# Altium PCB PCB1.PcbDoc (part 2 of 2)
Units mm, origin at the board's own origin, x right, y up, seen from the top; angles counter-clockwise.
Board outline 152.4 x 101.6 mm, 2 copper layers (Top Layer, Bottom Layer); 133 components, 97 nets, 486 pads, 36 vias.
Unrouted connection lines stored in the file: 116.
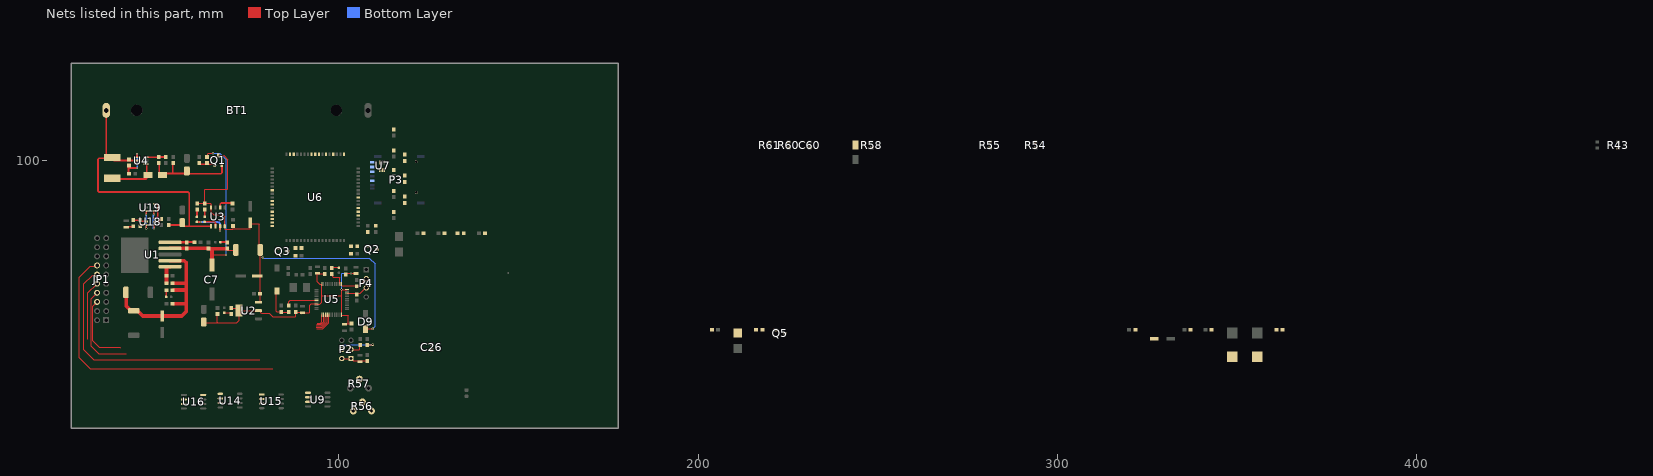
[diagram p2: the nets of this part, all layers, seen from the top]

## Via types
v1: diameter 0.6, hole 0.2, Top Layer to Bottom Layer, tented both sides, 19 vias
v2: diameter 0.6, hole 0.2, Top Layer to Bottom Layer, 17 vias

## Nets (pads, with @x,y where several pads share a name; then routed paths per layer and width w, separated by ;. In a path a pad name is that pad's centre, name@x,y a point inside that pad or via, vN(x,y) a via of type N, cw(c..) or ccw(c..) an arc to the next point about the centre after c; other vN are vias at no path point) (continued)
NetC5_1: C5.1 C6.2 D1.2 D4.2 R2.2 R3.1 U1.2 | length 51.6
  Top Layer w1: D4.2@40.791,62.865 40.791,59.45 42.18,58.061 43.053,58.061 43.926,58.061 45.331,56.656 C5.1@50.8,56.656 56.183,56.656 57.531,58.004 57.531,60.058 ; U1.2@52.959,72.087 56.945,72.087 57.531,71.501 57.531,65.771 ; R2.2@53.682,63.881 54.025,63.881 54.041,63.897 57.531,63.897 ; R3.1@53.682,65.786 54.025,65.786 54.04,65.771 57.531,65.771 ; C6.2@53.809,60.071 54.152,60.071 54.165,60.058 57.531,60.058 ; 57.531,60.058 57.531,62.865 57.531,63.897 ; 57.531,63.897 57.531,65.771
NetC26_1: C26.1 D18.2 R54.1 R54.2 R56.1
NetC37_2: C37.2 P1.1 R22.2 | length 9.7
  Top Layer w0.2: P1.1@82.194,63.2 P1.1@82.694,63.7 ; P1.1@82.794,63.6 82.6,63.406 82.6,58.017 82.717,57.9 C37.2@83.9,57.9 ; C37.2@84,57.7 R22.2@86,57.7
NetC39_2: C39.2 R32.1 R33.2
NetC46_2: C46.2 R38.2
NetC47_2: C47.2 R37.2
NetC48_2: C48.2 R36.2
NetC60_1: C60.1 R56.2 R56.3 R61.2 U15.3
NetC63_2: C63.2 R11.1 U18.5 | length 3.9
  Top Layer w0.4: R11.1@42.672,83.312 42.697,83.337 C63.2@44.679,83.337 ; C63.2@44.704,83.361 44.704,83.311 44.997,83.018 46.193,83.018 46.196,83.016 46.346,83.016 U18.5@46.396,82.966
NetD3_1: D3.1 R10.1 | length 2.1
  Top Layer w0.5: D3.1@60.464,84.258 60.457,84.266 60.457,86.15 R10.1@60.579,86.272
NetD5_1: D5.1 R1.1 | length 2.2
  Top Layer w0.254: D5.1@67.902,57.531 69.635,57.531 R1.1@69.977,57.189
NetD6_1: D6.1 R2.1 | length 1.9
  Top Layer w0.5: D6.1@51.878,61.976 51.93,62.028 51.93,63.829 R2.1@51.982,63.881
NetD7_1: D7.1 R5.1 | length 2
  Top Layer w0.6: D7.1@66.992,77.266 67.014,77.244 68.862,77.244 R5.1@68.947,77.16
NetD8_1: "L1 - 22uH.2" D8.1 U4.1 | length 13.9
  Top Layer w0.5: 36.83,94.784 46.189,94.784 46.482,95.077 46.482,98.999 U4.1@46.639,98.999
NetD10_2: D10.2 R27.2
NetD15_2: D15.2 Q5.3
NetD19_1: D19.1 R12.1 | length 2
  Top Layer w0.5: D19.1@62.611,84.266 R12.1@62.611,86.272
NetD20_1: D20.1 R23.2 | length 2
  Top Layer w0.2: R23.2@98.03,70.058 98.172,70.2 D20.1@100,70.2
NetJP1_6: JP1.6 U5.13 | length 23.3
  Top Layer w0.2: JP1.6@32.639,60.579 31.4,59.34 31.4,49.837 33.277,47.96 38.94,47.96 39.1,47.8 ; 93.928,54.7 94.874,54.7 95.25,55.076 U5.13@95.25,57.05
NetJP1_8: JP1.8 U5.14 | length 30.4
  Top Layer w0.2: JP1.8@32.639,63.119 31,61.48 31,48.3 33.1,46.2 40.8,46.2 ; 93.811,54.3 95.04,54.3 95.75,55.01 U5.14@95.75,57.05
NetJP1_10: JP1.10 U5.15 | length 21.7
  Top Layer w0.2: 30.1,50.154 30.1,63.12 JP1.10@32.639,65.659 ; 93.652,53.9 95.206,53.9 96.25,54.944 U5.15@96.25,57.05
NetJP1_12: JP1.12 U5.16 | length 79.1
  Top Layer w0.2: JP1.12@32.639,68.199 32.414,67.974 31.374,67.974 29,65.6 29,47.2 31.7,44.5 78,44.5 ; 93.612,53.5 95.371,53.5 96.75,54.879 U5.16@96.75,57.05
NetJP1_14: JP1.14 U5.17 | length 90.2
  Top Layer w0.2: JP1.14@32.639,70.739 32.362,70.462 30.762,70.462 27.7,67.4 27.7,45.1 30.8,42 81.6,42 ; 93.801,53.1 95.537,53.1 97.2,54.763 97.2,57 U5.17@97.25,57.05
NetL2_1: L2.1
NetP2_2: P2.2 R24.2 | length 4
  Top Layer w0.2: P2.2@103.34,47.36 103.4,47.3 105.683,47.3 105.8,47.417 105.8,48.694 R24.2@105.938,48.832
NetP2_5: P2.5 R25.1 | length 11.3
  Top Layer w0.2: R25.1@107.938,48.612 108.001,48.675 v1(109.407,48.675)
  Bottom Layer w0.2: P2.5@100.8,47.36 100.9,47.46 100.9,48.583 101.017,48.7 109.382,48.7 v1(109.407,48.675)
NetP3_2: P3.2 R36.1 U7.5
NetP3_3: P3.3 R37.1 U7.4
NetP3_7: P3.7 R38.1 U7.3
NetQ1_1: Q1.1 R15.2 R19.2 | length 4.9
  Top Layer w0.5: R19.2@61.087,99.226 61.087,99.203 61.337,98.953 62.996,98.953 63.246,99.203 R15.2@63.246,99.226 63.246,99.183 63.496,98.933 65.371,98.933 65.471,98.833 Q1.1@65.471,98.776
NetQ2_1: Q2.1 R28.1 R30.1
NetQ3_1: Q3.1 R29.1 R31.1
NetQ5_1: Q5.1 R39.1 R40.1
NetR3_2: R3.2 R6.2 U1.1 | length 5.4
  Top Layer w1: R3.2@51.982,65.913 51.982,67.437 51.982,67.691 51.982,70.377 51.992,70.387 U1.1@52.959,70.387
NetR4_2: R4.2 R7.2 U1.5 | length 6.9
  Top Layer w0.6: U1.5@52.959,77.187 52.964,77.182 57.653,77.182 R4.2@57.658,77.177 57.737,77.256 59.736,77.256 R7.2@59.814,77.334
NetR8_2: R8.2 R17.1 U4.4 | length 10.1
  Top Layer w0.5: R8.2@41.402,98.552 41.402,97.9 ; R17.1@41.568,96.266 41.402,96.432 41.402,97.9 ; v2(43.761,97.882) 43.743,97.9 41.402,97.9 ; v2(43.802,101.797) 43.783,101.777 43.783,100.899 43.672,100.899 U4.4@44.054,100.899
  Bottom Layer w0.5: v2(43.761,97.882) 43.761,97.909 43.802,97.951 v2(43.802,101.797)
NetR13_2: R13.2 U3.2 | length 4.6
  Top Layer w0.5: U3.2@66.928,86.869 66.928,87.845 67.221,88.138 70.259,88.138 R13.2@70.357,88.04
NetR14_2: R14.2 R18.1 U4.3 | length 5.1
  Top Layer w0.5: U4.3@46.639,100.899 49.766,100.899 R14.2@49.784,100.917 ; R14.2@49.784,100.926 49.788,100.922 51.729,100.922 R18.1@51.733,100.917
NetR16_1: R16.1 U18.2 | length 2.3
  Top Layer w0.4: U18.2@48.596,82.966 48.796,82.966 48.8,82.962 49.854,82.962 50.546,83.653 R16.1@50.546,83.703
NetR26_2: U9.2
NetR43_1: U9.1
NetR43_2: R43.1 R43.2 U9.3
NetR55_1: R55.1 U14.1
NetR57_2: R57.2 U16.2
NetR60_1: R60.1 U16.3
NetU15_1: U15.1 U15.2
P_OC: U18.3 U19.6 | length 5.4
  Top Layer w0.4: U19.6@48.471,87.818 48.546,87.743 49.271,87.743 49.505,87.508 49.505,84.303 49.118,83.916 U18.3@48.596,83.916
P_OD: U18.1 U19.4 | length 6.1
  Top Layer w0.4: v2(48.483,81.033) 48.521,81.072 48.521,82.016 U18.1@48.596,82.016 ; v2(48.482,84.886) 48.482,84.94 48.435,84.987 48.435,85.818 48.535,85.918 U19.4@48.598,85.918
  Bottom Layer w0.4: v2@48.26,81.002 v2@48.26,84.855
PH+: U14.3
PIN_B+: C64.2 R11.2 | length 2.2
  Top Layer w0.4: C64.2@40.493,81.461 42.521,81.461 R11.2@42.672,81.612
PIN_B-: C63.1 U18.6 U19.3 | length 7.8
  Top Layer w0.4: C63.1@44.704,81.661 44.704,81.709 45.004,82.009 46.389,82.009 U18.6@46.396,82.016 ; U19.3@46.228,85.984 46.239,85.984 46.278,85.945 46.278,84.893 v2(46.285,84.886) ; v2(46.343,81.028) 46.369,81.054 46.369,81.967 U18.6@46.374,81.972
  Bottom Layer w0.4: v2(46.285,84.886) 46.285,84.832 46.381,84.736 v2@46.381,81.12
PIN_OUT+: "L1 - 22uH.1" BT1.1 C15.1 C16.2 R8.1 U3.5 U4.5 | length 81.6
  Top Layer w0.5: BT1.1@35.193,113.919 35.193,100.598 35.179,100.584 ; 35.455,101.334 36.205,100.584 ; U4.5@43.658,99.949 41.529,99.949 37.465,99.949 36.83,100.584 36.205,100.584 ; C16.2@52.583,82.003 55.849,82.003 56.255,82.41 56.387,82.542 C15.1@56.387,82.646 ; C15.1@56.387,82.277 56.995,81.669 58.293,81.669 ; U3.5@64.388,81.669 58.293,81.669 ; 35.179,100.584 33.186,100.584 32.893,100.291 32.893,91.479 33.186,91.186 58,91.186 58.293,90.893 58.293,81.669 ; 35.179,100.584 36.205,100.584
PIN_RESET: R22.1 U5.7 | length 9.2
  Top Layer w0.2: R22.1@86.031,59.431 86,59.4 86,59.6 86,60.6 86.45,61.05 U5.7@93.75,61.05
Po: R55.2 R58.1 R60.2 U14.2
PWR_KEY_FR_MCU: R29.2
PWR_KEY_PIN: Q3.3 U6.1
RESET_PIN: Q2.3 U6.16
RESET_PIN_FR_MCU: R28.2 R39.2
RF_ANT: C38.2 R32.2 U6.60
RI: U6.4
RTS: U6.8
RXD: U6.10
SIM_CLK: U6.32
SIM_DATA: U6.31
SIM_DET: U6.34
SIM_RST: U6.33
SIM_VDD: U6.30
SWCLK: P4.2 R9.1 U5.37 | length 9
  Top Layer w0.2: U5.37@100.75,65.55 100.75,65.15 100.8,65.1 104.7,65.1 104.85,64.95 104.9,64.9 104.9,64.6 R9.1@105.248,64.948 ; R9.1@104.9,64.95 104.9,64.956 105.044,65.1 105.665,65.1 P4.2@107.605,67.04
SWDIO: P4.3 R20.1 U5.34 | length 6.5
  Top Layer w0.2: U5.34@102.25,63.05 104.5,63.05 R20.1@104.9,62.65 104.9,62.664 105.3,63.064 105.964,63.064 107.4,64.5 P4.3@107.605,64.5 ; P4.3@108.107,64.277 P4.3@108.234,64.404
TP_CH: D3.2 U3.7 | length 9.7
  Top Layer w0.5: D3.2@60.547,82.854 60.553,82.86 61.489,82.86 v2(61.49,82.862) ; v2(66.858,80.476) 66.858,80.503 66.878,80.524 66.878,81.619 U3.7@66.928,81.669
  Bottom Layer w0.5: v2(61.49,82.862) 61.518,82.862 61.575,82.804 66.565,82.804 66.858,82.511 v2(66.858,80.476)
TP_STD: D19.2 U3.6 | length 4.1
  Top Layer w0.5: D19.2@62.611,82.866 62.646,82.901 65.335,82.901 65.627,82.608 65.627,81.7 U3.6@65.658,81.669
TXD: U6.9
UBATT_LED_PIN: R23.1 U5.38 | length 4.7
  Top Layer w0.2: R23.1@98.03,68.358 98.341,68.046 98.341,67.617 98.459,67.5 100.133,67.5 100.25,67.383 U5.38@100.25,65.55
USB_BOOT: U6.6
USB_DM: U6.28
USB_DP: U6.27
VBATT: C40.1 C41.1 C42.2 C43.1 C44.2 C45.2 L2.2 U6.55 U6.56 U6.57
VBUS: U6.24
VCC_3.3V: U16.8
VCC_3.3V_MCU: C3.1 C4.2 C9.2 C10.2 C11.2 C18.2 C21.2 C22.2 C23.2 C24.2 C25.2 C27.2 P2.1 P2.4 R1.2 U2.2 U5.9 U5.24 U5.36 U5.48 | length 93.4
  Top Layer w0.2: U2.2@77.597,58.18 77.868,58.18 78.161,57.888 78.161,57.616 78.377,57.4 ; 78.676,57.468 80.633,57.468 81.6,56.5 87.841,56.5 87.958,56.617 C25.2@87.958,57.833 88.092,57.7 89.747,57.7 C18.2@89.827,57.62 ; C18.2@89.5,57.294 C18.2@89.827,57.62 ; C23.2@96.037,68.358 95.951,68.444 94.021,68.444 94.021,66.2 94.671,65.55 U5.48@95.25,65.55 95.2,65.5 95.2,62.3 ; v2(100.739,64.014) 100.757,64.032 102.232,64.032 U5.36@102.25,64.05 ; v2@100.75,63.933 100.75,62.3 ; P2.4@100.8,44.82 P2.1@103.34,44.82 104.01,44.15 C9.2@107.9,44.15 ; C10.2@101.9,54.5 102.6,54.5 ; C27.2@102,68.25 102.251,68.501 v2(103.326,68.501) 104.72,68.501 C22.2@104.721,68.5 ; C21.2@103.85,54.5 102.6,54.5 ; C18.2@89.827,57.62 C18.2@89.906,57.541 89.966,57.6 91.762,57.6 91.879,57.717 91.879,59.617 92.312,60.05 U5.9@93.75,60.05 93.8,60 94.7,60 95.2,60.5 95.2,62.3 ; 95.2,62.3 100.75,62.3 ; 100.75,62.3 U5.24@100.75,57.05 100.75,56.891 100.8,56.841 102.483,56.841 102.6,56.724 102.6,54.5
  Top Layer w0.254: C3.1@62.611,54.765 66.167,54.765 ; C4.2@66.04,56.769 66.04,54.892 66.167,54.765 ; R1.2@69.85,58.889 R1.2@69.977,58.889 71.488,58.889 U2.2@72.197,58.18 ; U2.2@77.597,58.18 U2.2@72.197,58.18 ; 66.167,54.765 71.529,54.765 72.263,55.499 72.263,58.114 U2.2@72.197,58.18
  Bottom Layer w0.2: v2(100.739,64.014) 100.8,64.075 100.8,68.384 100.917,68.501 v2(103.326,68.501)
VCC_5V: C1.1 C2.2 C13.1 C14.2 D2.2 D9.K Q1.3 R10.2 R12.2 U2.3 U3.4 U3.8 | length 121
  Top Layer w0.254: R10.2@60.579,87.972 60.618,88.011 R12.2@62.611,88.011 ; R12.2@62.611,87.972 R12.2@62.611,88.011 ; Q1.3@66.421,101.376 67.915,101.376 69.088,100.203 69.088,92.097 68.939,91.948 62.76,91.948 62.611,91.799 R12.2@62.611,88.011 ; U3.8@68.198,81.669 68.198,84.329 67.691,84.836 65.151,84.836 64.388,85.599 U3.4@64.388,86.869 64.388,87.758 64.135,88.011 R12.2@62.611,88.011 ; 68.199,80.839 70.386,80.839 70.485,80.938 75.223,80.938 75.311,81.026 75.311,81.973 75.634,82.296 77.702,82.296 77.851,82.147 77.851,75.287 D2.2@78.081,75.057 78.081,68.141 77.758,67.818 C1.1@77.743,67.818 ; C1.1@77.23,67.818 C1.1@77.743,67.818 ; U2.3@77.597,60.48 77.799,60.48 78.066,60.747 C2.2@78.066,62.865 78.066,67.495 C1.1@77.743,67.818 ; D9.K@107.4,53.2 D9.K@107.5,53.3 ; D9.K@107.5,53.1 v1(109.4,53.1)
  Bottom Layer w0.254: v2(78.8,73) 78.894,73 79.094,72.8 108.5,72.8 110.1,71.2 110.1,53.8 v1(109.4,53.1)
VCC_5V_BACKUP: C12.2 C17.1 D8.2 Q1.2 R14.1 | length 26.6
  Top Layer w0.5: R14.1@49.784,99.226 49.982,99.028 49.982,96.485 50.582,95.885 50.673,95.885 51.099,96.31 53.721,96.31 57.119,96.31 57.658,96.849 57.658,97.024 57.658,96.805 58.197,96.266 67.144,96.266 67.437,96.559 Q1.2@67.437,98.877 ; 53.721,96.485 C12.2@53.721,99.099
VCC_5V_COMPARE: C7.1 C8.2 D2.1 R4.1 R5.2 R15.1 U1.4 | length 60
  Top Layer w0.3: R15.1@63.246,100.926 63.396,101.076 63.396,101.75 63.627,101.981 v2(64.897,101.981) ; 64.643,73.787 64.77,73.66 v2(68.58,73.66) ; R5.2@68.95,74.93 D2.1@71.271,74.93
  Top Layer w1: U1.4@52.959,75.487 R4.1@57.531,75.487 ; R4.1@57.658,75.477 57.658,75.498 63.662,75.498 C8.2@63.662,75.484 63.662,75.434 64.534,75.434 64.643,75.325 64.643,73.787 C7.1@64.643,70.866 ; 64.643,75.438 R5.2@68.947,75.438
  Bottom Layer w0.3: v2@64.897,101.826 v2(64.897,101.981) 66.802,101.981 68.58,100.203 68.58,74.05
VDD_EXT_1V8: C49.2 C50.2 P3.1 U6.15 U7.6
pads on no net: BT1. C26.0 C60.0 D9.0 P3.6 P3.CD P3.MP R26.0 R26.1 R26.2 R43.0 R44.0 R54.0 R55.0 R57.3 R58.0 R60.0 R61.0 U4.6 U5.1 U5.2 U5.3 U5.4 U5.10 U5.11 U5.12 U5.18 U5.19 U5.21 U5.22 U5.25 U5.26 U5.27 U5.28 U5.29 U5.30 U5.31 U5.32 U5.33 U5.39 U5.41 U5.42 U5.43 U5.44 U5.45 U5.46 U6.11 U6.12 U6.13 U6.14 U6.19 U6.20 U6.21 U6.22 U6.23 U6.25 U6.26 U6.35 U6.36 U6.37 U6.38 U6.40 U6.41 U6.42 U6.43 U6.44 U6.47 U6.48 U6.49 U6.50 U6.51 U6.53 U6.66 U6.67 U6.68 U7.0 U7.1 U9.5 U9.6 U9.7 U9.8 U14.5 U14.6 U14.7 U14.8 U15.5 U15.6 U15.7 U15.8 U16.4 U16.5 U16.6 U16.7 U18.4 U19.2 U19.5
copper on no net: | length 85.2
  Top Layer w0.2: 90.4,56.6 92.283,56.6 92.4,56.717 92.4,57 92.4,59.4 92.55,59.55 93.75,59.55 ; 91,56.2 92.5,56.2 92.8,56.5 92.8,56.9 92.8,58.933 92.917,59.05 93.75,59.05 ; 91.7,55.2 93.4,55.2 93.6,55.4 94.033,55.833 94.033,58.5 93.983,58.55 93.75,58.55 93.55,58.55 93.5,58.5 ; 93.272,52.4 96.4,52.4 98.25,54.25 98.25,57.05 ; 93.411,51.7 96.8,51.7 99.75,54.65 99.75,57.05 ; 93.719,52.7 95.703,52.7 97.75,54.747 97.75,57.05 ; 93.862,52.1 96.6,52.1 99.25,54.75 99.25,57.05
  Bottom Layer w0.2: 125.4,97.6 125.4,131

## Keep-outs
Keep-Out Layer:
  lines w0.1: 125.603,25.4 25.4,25.4 25.4,127 125.603,127

## Other copper
Top Layer:
  region net GND: 108.9,71.6 110.2,71.6 111,70.8 111,46.1 110.2,45.3 108.4,45.3 108.4,46.3 108.5,46.4 110.1,46.4 110.1,63.8 108.9,65 108.9,68.7
  region net GND: 106.7,68.7 108.9,68.7 109.2,69 109.2,71.3 108.9,71.6 81.5,71.6 81.3,71.4 81.3,68.8 81.6,68.5 84,68.5 84,70.9 106.7,70.9
  region net 5V_CTR_UBATT: 106.6,58.1 106.6,61.8 106.9,62.1 108.1,62.1 108.3,61.9 108.3,56.1 108.2,56 106.6,56
  region net GND: 104.592,46.704 103.626,46.086 104.823,46.066 104.823,46.578
  region net GND: 111,46.1 111,43.5 110.9,43.4 109.2,43.4 109.1,43.5 109.1,45.1 108.9,45.3 109.7,46.1
  region net GND: 108.9,65 108.9,53.7 109.8,53.7 110,53.5 110,52.8 109.8,52.6 109,52.6 109,51.2 109.8,51.2 110,51 110,50.1 109.8,49.9 109.1,49.9 109.1,49.2 109.8,49.2 110,49 110,48.2 109.8,48 109,48 109,46.7 105.3,46.7 104.6,46.7 104.6,46 109.7,46 110.6,46.9 110.6,64
  region net GND: 100.6,67.1 100.6,66.6 101.1,66.6
  region net VCC_3.3V_MCU: 100.8,54 104,54 104,55.1 100.8,55.1
  region net GND: 100.3,52.265 100.135,52.265 100,52.4 100,53.4 100.3,53.4
  region net VCC_3.3V_MCU: 104.7,44.8 104.3,45.2 104.3,44.9
  region net GND: 99.5,48.6 99.9,49 99.6,49
  region net GND: 104.2,49 104.5,49.3 104.5,51.2 104.4,51.3 99,51.3 98.5,50.8 98.5,46.3 98.9,45.9 104.5,45.9 104.7,45.7 104.7,45.3 108.4,45.3 108.4,46.3 100,46.3 99.6,46.7 99.6,49
  region net GND: 81.3,68.8 81.3,65.5 81.5,65.3 83.5,65.3 83.9,64.9 84,65 84,68.7
  region net GND: 83.3,59 84.6,59 84.6,69.1 84.9,69.4 83.9,69.4 83.8,60.1 83.3,60.1
  region net VCC_3.3V_MCU: 99.8,45.6 99.5,45.3 99.5,43.4 99.7,43.4 108.8,43.4 108.9,43.5 108.9,44.9 108.7,44.9 104.3,44.9 104.3,45.5 104.2,45.6
  region net GND: 103.7,61.5 103.2,61 103.2,57.9 103.2,55.7 104,55.7 104.4,55.3 104.4,53.7 104.1,53.4 100.3,53.4 100.3,52.265 103.965,52.265 105,53.3 105,61.5
  region net GND: 104.4,61.5 105.6,61.5 105.6,52.5 105.4,52.3 100.7,52.3 100.7,53 104.7,53 105,53.3 105,58.8 105,60.643
  region net GND: 87.8,58.9 91.3,58.9 91.5,59.1 91.5,60.2 91.7,60.4 94.4,60.4 94.4,60.7 87.8,60.7 87.4,60.3 87.4,58.9
  region net GND: 100.8,69.3 99.6,69.3 99.4,69.1 99.4,68.1 99.5,68 100.5,68 100.6,67.9 100.6,67.1 101.6,66.1 105.4,66.1 105.4,67.2 101.3,67.2 101,67.5 101,69.3 100.7,69.3 100.6,69.2
  region net VCC_3.3V_MCU: 101.4,68.9 105.5,68.9 105.7,68.7 105.7,67.9 105.5,67.7 101.4,67.7
  region net VCC_3.3V_MCU: 93.3,68.9 96.6,68.9 96.6,67.7 95.8,67.7 95.4,67.3 95.4,66.2 95.4,64.9 93.7,64.9 93.3,65.3
  region net GND: 100.8,70.916 100.8,69.3 106.1,69.3 106.7,68.7 106.7,70.9 100.816,70.9
  region net GND: 86.3,69.4 84.4,69.4 84,69 84,70.9 96.9,70.9 96.9,69.5
  region net GND: 32.385,90.297 28.067,90.297 26.4,88.63 26.4,82.7 32.385,82.7
  region net NetD8_1: 39.116,95.631 40.005,94.742 39.116,94.742
  region net PIN_OUT+: 32.766,101.6 31.877,100.711 31.877,91.313 32.512,90.678 33.782,90.678 33.782,99.187 34.163,99.568 42.545,99.568 42.545,101.6
  region net NetD8_1: 39.116,96.012 34.417,96.012 34.417,93.726 34.925,93.218 48.26,93.218 48.768,93.726 48.768,97.028 45.536,97.028 45.536,95.574 45.085,95.123 39.116,95.123
  region net PIN_OUT+: 33.401,93.726 34.671,92.456 33.401,92.456
  region net GND: 79.629,90.424 79.629,105.664 79.121,106.172 54.737,106.172 53.086,104.521 53.086,100.584 53.34,100.33 61.595,100.33 61.595,102.108 62.357,102.87 70.231,102.87 71.247,101.854 71.247,90.424
  region net VCC_5V: 64.109,87.376 64.908,88.175 64.908,90.181 65.786,91.059 70.104,91.059 70.739,91.694 70.739,101.473 69.85,102.362 66.167,102.362 65.913,102.108 65.913,100.711 66.04,100.584 68.199,100.584 68.58,100.203 68.58,93.853 67.437,92.71 60.452,92.71 59.69,91.948 59.69,87.376
  region net VCC_5V_COMPARE: 65.024,102.362 63.119,102.362 62.611,101.854 62.611,100.33 63.881,100.33 63.881,101.473 64.008,101.6 65.024,101.6 65.278,101.854 65.278,102.108
  region net GND: 53.086,100.584 52.832,100.838 52.832,102.235 52.324,102.743 43.434,102.743 42.926,103.251 42.926,105.664 43.434,106.172 54.737,106.172 53.086,104.521
  region net NetC5_1: 56.321,63.422 56.702,63.422 56.702,63.041
  region net NetC5_1: 56.692,64.653 56.692,64.272 56.311,64.272
  region net NetC5_1: 56.105,65.532 56.708,65.532 56.708,64.929
  region net GND: 48.895,74.676 49.276,74.295 58.166,74.295 58.166,73.152 49.276,73.152 48.895,72.771
  region net NetC5_1: 53.259,60.553 53.259,59.304 56.256,59.304 56.642,59.69 56.642,60.96 56.235,60.553
  region net NetC5_1: 53.262,59.684 52.813,59.236 53.196,59.236 53.265,59.304
  region net GND: 52.286,61.101 52.269,61.085 51.437,61.085 51.181,61.341 51.181,60.579 52.249,60.579 52.296,60.626
  region net GND: 53.213,69.596 55.88,69.596 56.134,69.342 56.134,67.056 55.88,66.802 53.213,66.802 52.959,67.056 52.959,69.342
  region net NetR3_2: 52.451,69.596 52.451,69.977 52.832,69.977
  region net NetR3_2: 51.181,69.977 51.562,69.977 51.562,69.596
  region net NetC5_1: 57.023,66.971 57.023,65.913 55.965,65.913
  region net GND: 70.104,90.297 72.136,92.329 72.136,90.297
  region net GND: 69.85,82.804 69.469,83.185 69.469,85.09 68.961,85.598 68.072,85.598 67.818,85.852 67.818,87.376 67.945,87.503 68.58,87.503 68.707,87.376 68.707,87.122 68.834,86.995 71.374,86.995 71.501,87.122
  region net GND: 41.275,83.947 42.164,84.836 41.275,84.836
  region net GND: 71.644,90.551 66.04,90.551 65.352,89.863 65.352,86.388 65.508,86.233 65.913,86.233 66.04,86.36 66.04,88.646 66.548,89.154 71.12,89.154 71.596,88.678
  region net VCC_5V: 67.817,81.865 67.818,83.462 67.079,84.201 64.262,84.201 64.008,84.455 64.008,86.995 63.627,87.376 60.071,87.376 60.071,88.519 64.542,88.519 64.897,88.164 64.897,85.471 65.066,85.302 67.86,85.302 68.707,84.455 68.707,82.572 69.106,82.173 69.414,81.865
  region net GND: 31.369,124.46 78.613,124.46 79.629,123.444 79.629,104.648 78.105,106.172 46.482,106.172 46.482,117.602 43.688,120.396 31.369,120.396
  region net VCC_5V_BACKUP: 49.276,95.123 49.276,93.726 49.784,93.218 66.929,93.218 67.945,94.234 67.945,94.875
  region net VCC_5V_BACKUP: 49.276,95.123 49.53,94.869 67.945,94.869 67.945,99.314 67.02,99.314 67.02,97.246 66.548,96.774 58.928,96.774 58.547,97.155 58.547,98.298 58.42,98.425 56.642,98.425 56.515,98.298 56.515,97.028 56.261,96.774 55.372,96.774 55.118,97.028 55.118,99.568 54.864,99.822 53.34,99.822 53.086,99.568 53.086,97.536 52.578,97.028 50.8,97.028 50.292,97.536 50.292,99.695 50.165,99.822 49.276,99.822
  region net GND: 74.676,72.009 74.676,78.994 74.113,79.557 63.428,79.557 63.169,79.298 63.169,77.719 64.162,77.719 64.164,78.075 64.365,78.275 72.855,78.275 73.025,78.105 73.025,72.898 72.898,72.771 73.914,72.771
  region net GND: 49.403,88.519 50.165,87.757 50.165,84.963 50.292,84.836 51.308,84.836 51.562,84.582 51.562,83.439 51.689,83.312 51.689,86.868 50.038,88.519
  region net GND: 50.165,88.392 51.689,86.868 51.689,83.312 51.943,83.058 51.943,87.503 51.054,88.392
  region net GND: 41.542,84.455 45.212,84.455 45.593,84.836 45.593,87.249 45.847,87.503 47.371,87.503 47.625,87.757 47.625,88.519 41.402,88.519
  region net GND: 49.085,74.486 61.404,74.486 62.103,73.787 62.103,67.564 61.976,67.437 59.817,67.437 59.436,67.818 59.436,72.644 58.928,73.152 58.447,73.152 49.276,73.152 49.276,74.295
  region net VCC_5V_COMPARE: 49.858,76.02 49.657,75.819 49.657,75.057 49.841,74.873 61.652,74.873 62.611,73.914 62.611,69.088 63.119,68.58 66.04,68.58 66.675,69.215 66.675,72.771 67.183,73.279 72.009,73.279 72.39,73.66 72.39,77.851 72.249,77.992 70.499,77.992 70.358,77.851 70.358,76.215 70.163,76.02
  region net GND: 63.428,79.557 63.418,79.547 40.05,79.547 39.243,78.74 39.687,78.296 63.192,78.296 63.169,78.272 63.169,77.719 64.162,77.719 64.167,79.554
  region net GND: 48.797,77.927 49.305,78.435 48.797,78.435
  region net PIN_OUT+: 64.738,80.486 64.389,80.137 51.943,80.137 51.689,80.391 51.689,82.55 51.816,82.677 54.991,82.677 55.245,82.931 55.245,84.074 55.499,84.328 57.404,84.328 57.404,82.423 57.573,82.254 64.735,82.254
  region net GND: 58.166,74.295 58.801,74.295 59.093,74.003 59.093,73.517 58.729,73.152 58.166,73.152
  region net GND: 57.15,89.662 56.769,90.043 40.386,90.043 40.005,89.662 40.005,82.931 41.529,82.931 41.529,88.011 42.291,88.773 52.544,88.773 52.583,88.734 52.578,88.729 52.578,86.106 57.15,86.106
  region net GND: 39.751,80.264 39.624,80.391 39.624,82.55 40.005,82.931 34.2,82.931 34.2,72.136 39.751,72.136 39.751,72.517
  region net PIN_OUT+: 57.404,84.328 57.912,84.836 57.912,90.043 57.277,90.678 33.02,90.678 33.02,92.71 58.674,92.71 59.309,92.075 59.309,82.677 60.19,81.796 59.267,82.254 57.573,82.254 57.404,82.423
  region net GND: 51.943,83.058 54.787,83.058 54.991,83.262 54.991,84.582 55.118,84.709 57.15,84.709 57.531,85.09 57.531,89.789 57.023,90.297 32.385,90.297 31.623,89.535 31.623,82.7 33.655,82.7 39.742,82.7 40.193,82.951 43.561,88.392 51.054,88.392 51.943,87.503
  region net GND: 40.005,78.74 39.243,78.74 39.243,77.978 39.243,66.04 39.751,65.532 43.053,65.532 43.053,59.817 51.689,59.817 51.689,60.579 51.181,60.579 51.181,68.707 50.673,69.215 49.149,69.215 48.895,69.469 48.895,78.74
  region net GND: 39.243,78.74 39.243,79.756 39.751,80.264 49.53,80.264 50.038,80.772 50.038,82.55 51.054,82.55 51.054,80.391 51.943,79.502 40.005,79.502
  region net GND: 69.85,82.804 72.517,82.804 73.152,83.439 73.152,84.074 73.787,84.709 78.74,84.709 79.629,85.598 79.629,90.551 71.501,90.551 71.501,87.122 71.247,86.868 68.453,86.868 68.453,86.36 69.85,86.36
  region net VCC_5V: 79.502,83.566 78.799,84.269 74.04,84.269 73.786,84.015 73.786,82.872 73.278,82.364 68.071,82.364 67.817,82.11 67.817,80.392 68.131,80.078 74.421,80.078 75.437,79.062 75.437,77.919 79.502,77.919
  region net VCC_5V: 75.496,77.978 75.438,77.92 75.438,68.834 75.438,66.802 75.946,66.294 78.232,66.294 79.502,67.564 79.502,77.978
  region net PIN_OUT+: 31.877,116.713 32.766,117.602 36.83,117.602 37.338,117.094 37.338,104.902 38.227,104.013 41.91,104.013 42.545,103.378 42.545,99.568 34.163,99.568 33.782,99.187 31.877,99.187
  region net GND: 26.4,88.63 26.4,122.412 28.448,124.46 31.369,124.46 31.369,91.313 32.385,90.297 28.067,90.297
  region net GND: 31.369,118.237 33.782,120.65 33.528,120.904 31.369,120.904
  region net NetD8_1: 45.536,96.774 48.768,96.774 48.768,98.933 48.387,99.314 45.536,99.314
  region net NetC5_1: 49.911,72.644 58.547,72.644 59.055,72.136 59.055,56.642 57.582,55.169 40.933,55.169 39.37,56.732 39.37,60.706 42.418,60.706 42.418,59.69 42.799,59.309 52.324,59.309 53.086,59.309 56.261,59.309 56.642,59.69 56.642,68.199 56.642,71.247 56.274,71.615 49.922,71.615
  region net GND: 53.086,62.992 56.007,62.992 56.261,62.738 56.261,61.214 56.007,60.96 52.959,60.96 52.705,60.706 52.705,59.817 52.451,59.563 43.307,59.563 43.053,59.817 43.053,60.325 43.307,60.579 50.927,60.579 50.974,60.626 52.296,60.626 52.296,60.994 52.832,61.53 52.832,62.738
  region net GND: 33.782,72.136 34.29,71.628 34.29,66.548 34.29,66.294 34.29,59.436 33.909,59.055 37.719,59.055 38.735,58.039 38.735,65.278 38.989,65.532 39.751,65.532 39.751,72.136
  region net GND: 45.72,52.832 44.958,53.594 45.72,53.594
  region net GND: 47.244,54.737 40.386,54.737 36.068,59.055 34.671,59.055 34.036,58.42 34.036,57.15 34.417,56.769 36.068,56.769 39.37,53.467 46.609,53.467 47.244,52.832
  region net GND: 34.671,59.055 32.131,59.055 31.7,58.624 31.7,50.5 33.7,48.5 78.98,48.5 79.248,48.768 79.248,49.276 79.248,51.054 78.359,50.165 34.671,50.165 33.909,50.927 33.909,56.261 34.417,56.769
  region net GND: 58.42,49.784 77.978,49.784 79.248,51.054 79.248,56.769 78.994,57.023 76.073,57.023 75.311,56.261 75.311,53.848 74.549,53.086 60.833,53.086 59.055,51.308 59.055,50.419
  region net 12V_IN: 34.35,54.664 34.35,51.121 35.052,50.419 44.958,50.419 45.212,50.673 45.212,52.578 44.831,52.959 36.449,52.959 36.003,53.405 36.003,54.734 34.35,54.734
  region net GND: 59.436,57.531 59.436,56.261 57.912,54.737 46.609,54.737 45.72,53.848 45.72,49.657 58.293,49.657 60.833,52.197 60.833,57.531
  region net GND: 45.12,50.015 45.882,50.777 45.882,50.015
  region net GND: 62.992,67.691 61.849,68.834 61.849,67.691
  region net GND: 59.436,67.818 59.436,60.706 60.071,60.071 68.872,60.071 68.88,60.063 68.888,60.071 70.485,60.071 70.993,60.579 70.993,67.691 70.866,67.818
  region net GND: 66.167,67.564 67.31,68.707 67.31,72.009 68.072,72.771 73.914,72.771 74.676,72.009 74.676,66.675 75.438,65.913 76.327,65.913 76.962,65.278 76.962,62.103 76.962,61.573 75.46,60.071 74.93,60.071 70.485,60.071
  region net GND: 59.436,60.706 59.436,57.531 59.944,57.023 63.373,57.023 63.892,57.023 64.185,57.316 64.185,58.293 68.326,58.293 68.58,58.547 68.58,59.763 68.888,60.071 68.253,60.706
  region net GND: 42.672,65.532 43.053,65.532 43.053,65.151
  region net GND: 43.18,65.532 43.561,65.532 43.561,65.151
  region net GND: 36.068,59.055 37.719,59.055 38.735,58.039 38.735,56.388
  region net NetC5_1: 39.751,65.151 39.37,64.77 39.37,57.658 40.005,57.023 44.831,57.023 45.085,57.277 45.085,58.948 44.724,59.309 42.799,59.309 42.418,59.69 42.418,64.77 42.037,65.151
  region net GND: 36.957,53.467 36.576,53.848 36.576,56.261 36.068,56.769 37.592,56.769 37.592,55.626 39.751,53.467
  region net GND: 60.62,53.708 61.382,52.946 60.62,52.946
  region net VCC_3.3V_MCU: 61.722,56.388 61.468,56.134 61.468,53.721 61.595,53.594 66.548,53.594 66.929,53.975 66.929,57.531 66.675,57.785 65.278,57.785 65.085,57.592 65.085,56.703 64.77,56.388
  region net VCC_3.3V_MCU: 75.51,59.237 75.524,59.223 79.207,59.223 79.502,58.928 79.502,57.531 79.248,57.277 75.364,57.277 74.645,56.558 74.549,56.655 74.549,59.055 75.328,59.055
  region net VCC_3.3V_MCU: 72.897,59.8 74.947,59.8 76.073,58.674 78.613,58.674 78.74,58.547 78.74,57.531 78.613,57.404 75.772,57.404 74.645,56.558 72.897,56.558
  region net VCC_3.3V_MCU: 70.307,55.535 71.323,56.551 71.323,55.535
  region net VCC_3.3V_MCU: 69.342,59.436 69.346,59.571 69.589,59.806 71.488,59.806 71.488,57.801 70.939,58.343 69.355,58.343
  region net VCC_3.3V_MCU: 66.929,56.388 67.945,55.372 66.929,55.372
  region net VCC_3.3V_MCU: 66.548,53.594 74.168,53.594 74.676,54.102 74.676,57.404 74.041,57.404 73.279,56.642 71.247,56.642 71.247,55.626 66.675,55.626 66.548,55.499
  region net VCC_5V: 76.771,60.071 78.867,60.071 79.502,60.706 79.502,67.564 76.708,67.564 76.2,67.056 77.47,65.786 77.47,61.595 77.47,61.214 77.343,61.087 76.835,61.087 76.648,60.9 76.648,60.194

## Silkscreen, mask and mechanical layers (free items; w line width, h text height)
Top Overlay:
  lines w0.2: 32.831,102.108 32.831,103.124 48.387,103.124 ; 38.862,80.391 49.53,80.391 55.753,80.391 ; 38.862,80.899 38.862,83.947 33.02,83.947 33.02,93.472 59.944,93.472 59.944,89.789 59.309,89.789 ; 45.339,84.709 45.339,88.642 35.179,88.642 35.179,86.106 45.339,86.106 ; 48.895,102.235 48.895,103.124 79.597,103.124 79.597,95.631 60.325,95.631 60.325,97.79 68.326,97.79 67.818,97.282 ; 56.515,79.756 56.515,73.025 58.801,73.025 ; 56.642,68.58 54.864,68.58 54.864,50.419 59.309,50.419 59.309,60.198 ; 57.277,80.391 74.549,80.391 ; 58.928,87.935 58.928,90.297 ; 59.309,80.772 59.309,89.408 60.325,89.408 79.629,89.408 79.629,80.454 76.264,80.454 ; 59.69,50.419 79.629,50.419 ; 68.77,100.266 68.326,100.711 79.248,100.711 ; 79.121,54.229 79.629,54.229 79.629,50.419 ; 79.629,66.929 79.629,50.419 ; 79.629,68.58 79.629,80.01 ; 49.022,90.17 57.785,90.17 58.928,90.17 58.928,92.837 57.785,92.837 49.022,92.837 49.022,90.17 ; 60.325,89.789 60.325,95.377 79.629,95.377 79.629,95.123 79.629,89.789 60.325,89.789

## Dimensions
25.4,127.254 to 21.209,27.178 on Mechanical 10 - Dimension
25.4,127 to 125.476,133.096 on Mechanical 10 - Dimension

## Text inside footprints (layer, text, board x,y; h text height)
C43: Top Overlay "+" at 324.911,48.392 h1.27
JP1: Top Overlay "19" at 35.052,80.01 h1.27; Top Overlay "20" at 30.353,80.01 h1.27; Top Overlay "1" at 35.56,52.959 h1.27; Top Overlay "2" at 31.242,52.959 h1.27
P2: Top Overlay "3" at 117.048,38.332 h1.27 r90
R56: Top Overlay "CW" at 108.2,30.9 h1.27 r90
R57: Top Overlay "CW" at 107.36,37.26 h1.27 r90
U6: Top Overlay "17" at 85.59,100.21 h1.27 r180; Top Overlay "18" at 82.86,97.76 h1.27 r270; Top Overlay "1" at 101.54,100.21 h1.27 r180; Top Overlay "68" at 103.92,96.26 h1.27 r90; Top Overlay "34" at 82.9,82.556 h1.27 r270; Top Overlay "35" at 86.09,80.58 h1.27 r180; Top Overlay "52" at 103.87,80.89 h1.27 r90; Top Overlay "51" at 101.74,80.48 h1.27 r180; Top Overlay "SIM 7670C" at 91.23,87.527 h1.27